# KiCad board panel.kicad_pcb
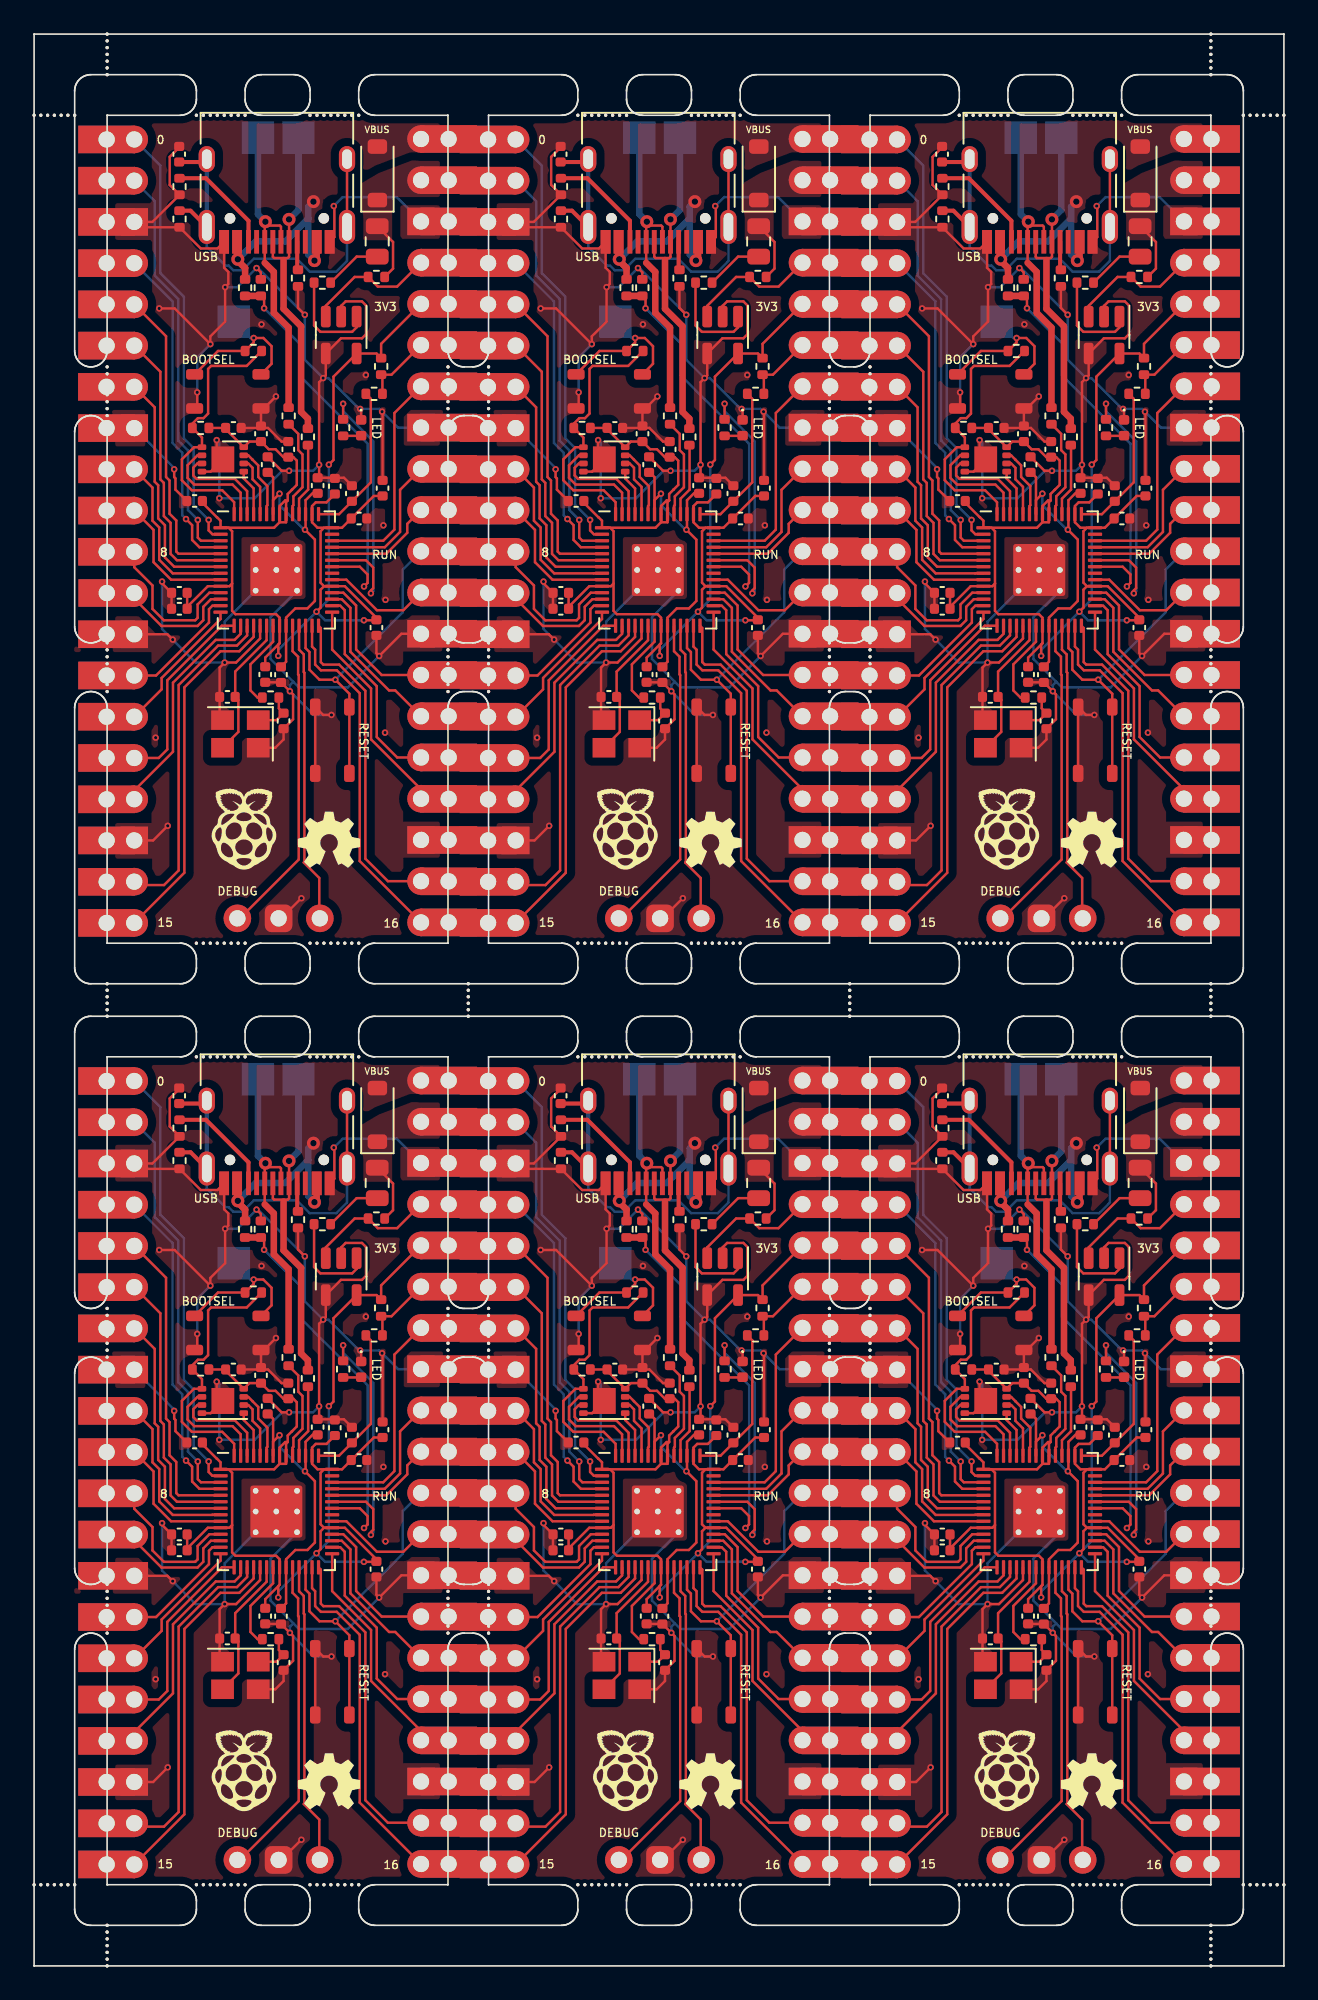
[diagram p0: board, top side]
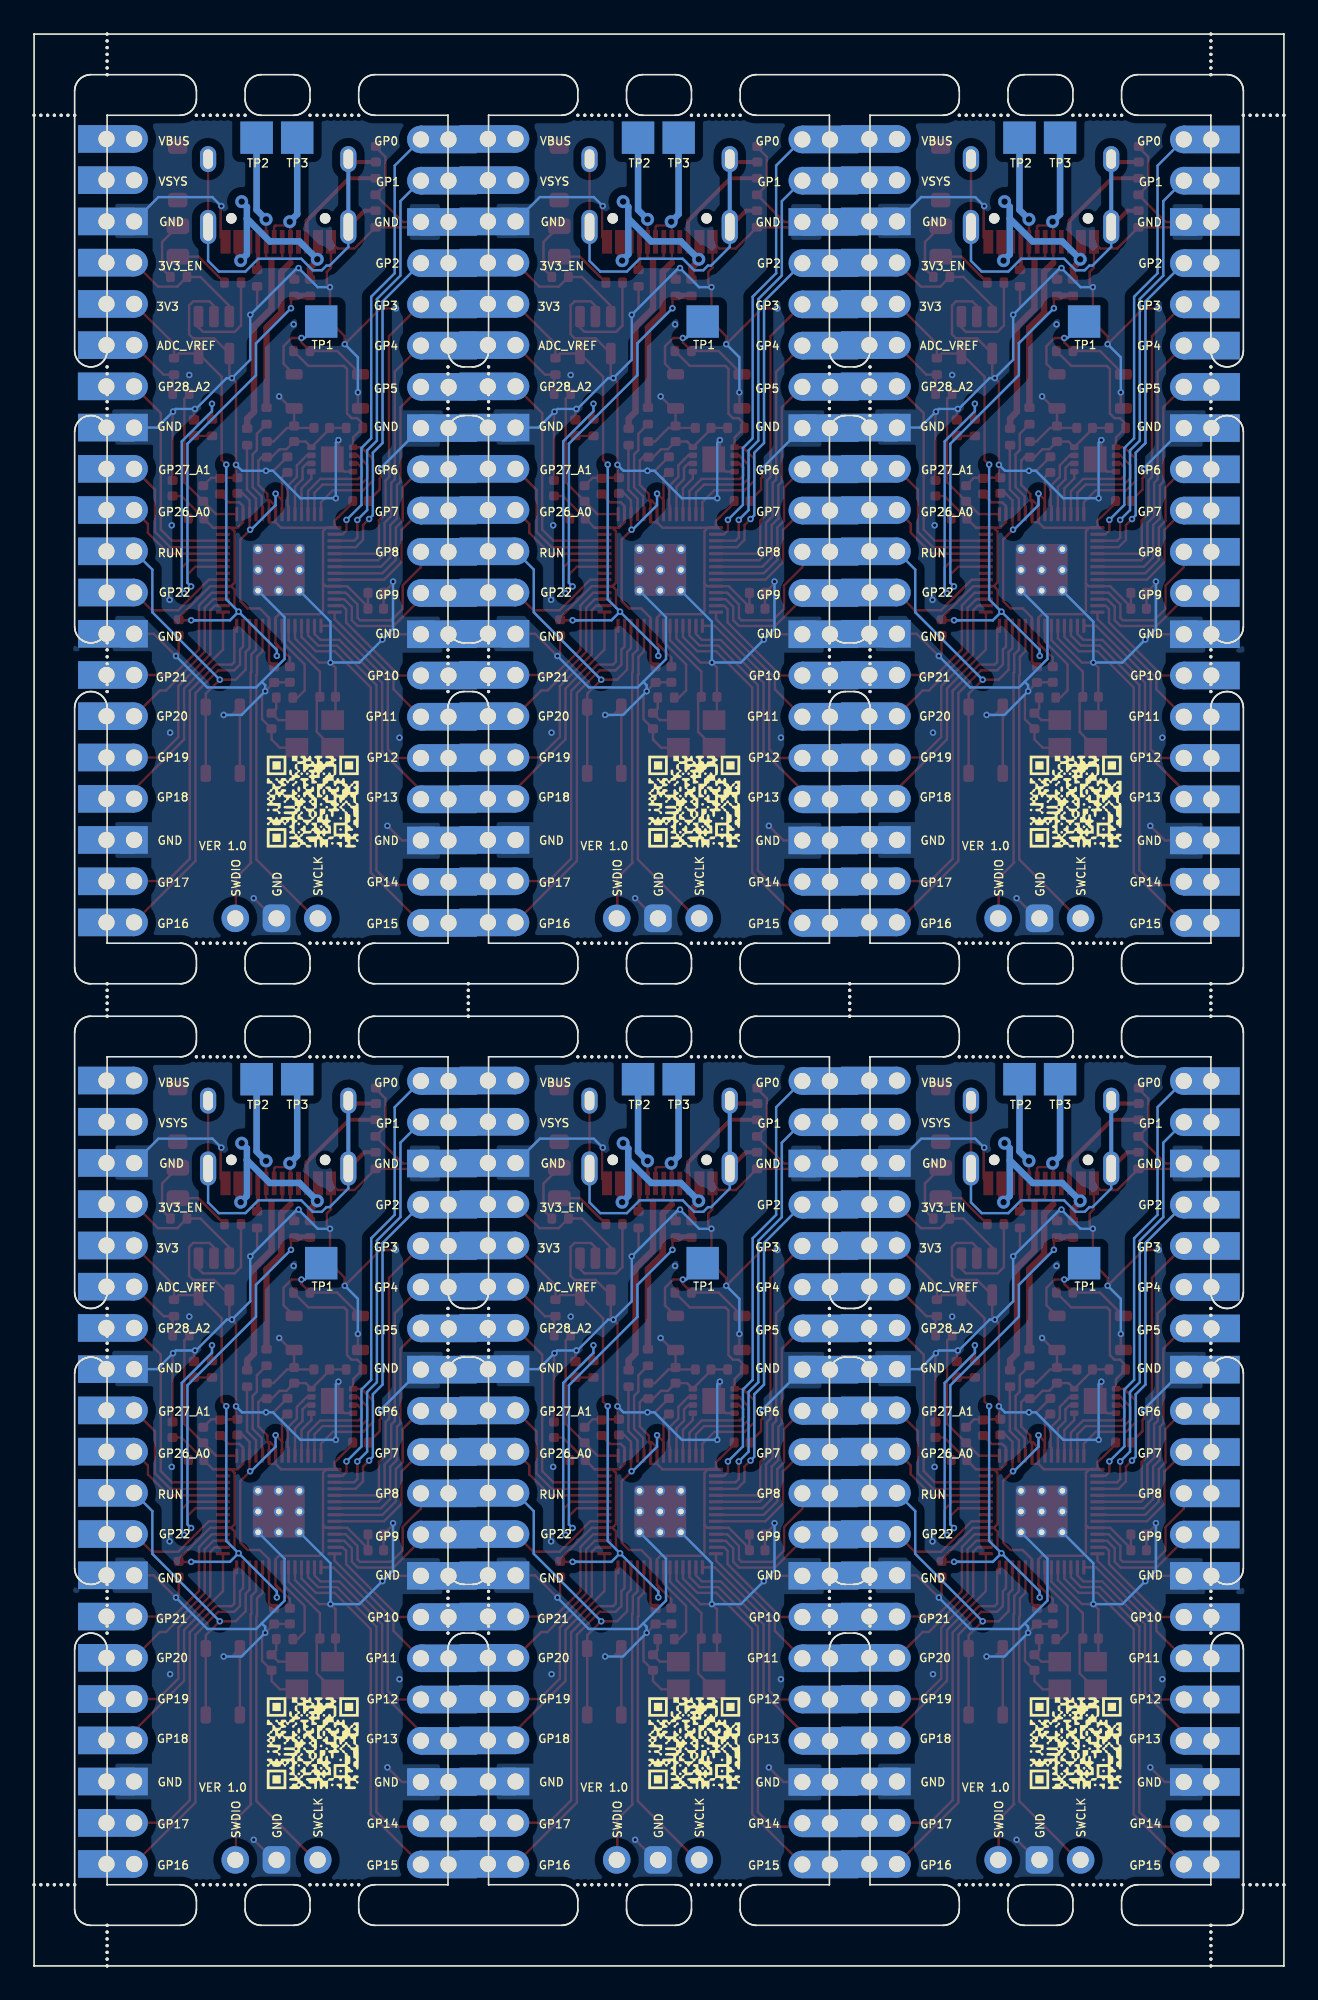
[diagram p1: board, bottom side, seen from below]

Outline 77 x 119 mm; copper layers: Top, Bottom. Coordinates in mm from the lower left corner of the outline.
Stack: Top 0.035mm / dielectric 1.51mm FR4 er 4.5 / Bottom 0.035mm

## Placement (name value [footprint] x y rotation side)
C1  0.1uF  [C_0402_1005Metric]  37.89 92.48 90 top
C1#2  0.1uF  [C_0402_1005Metric]  61.39 92.48 90 top
C1#3  0.1uF  [C_0402_1005Metric]  14.39 34.48 90 top
C1#4  0.1uF  [C_0402_1005Metric]  61.39 34.48 90 top
C1#5  0.1uF  [C_0402_1005Metric]  37.89 34.48 90 top
C1#6  0.1uF  [C_0402_1005Metric]  14.39 92.48 90 top
C2  0.1uF  [C_0402_1005Metric]  38.71 21.54 270 top
C2#2  0.1uF  [C_0402_1005Metric]  38.71 79.54 270 top
C2#3  0.1uF  [C_0402_1005Metric]  62.21 21.54 270 top
C2#4  0.1uF  [C_0402_1005Metric]  15.21 21.54 270 top
C2#5  0.1uF  [C_0402_1005Metric]  15.21 79.54 270 top
C2#6  0.1uF  [C_0402_1005Metric]  62.21 79.54 270 top
C3  1uF  [C_0402_1005Metric]  64.47 33.19 90 top
C3#2  1uF  [C_0402_1005Metric]  17.47 33.19 90 top
C3#3  1uF  [C_0402_1005Metric]  64.47 91.19 90 top
C3#4  1uF  [C_0402_1005Metric]  40.97 33.19 90 top
C3#5  1uF  [C_0402_1005Metric]  17.47 91.19 90 top
C3#6  1uF  [C_0402_1005Metric]  40.97 91.19 90 top
C4  0.1uF  [C_0402_1005Metric]  67.02 89.16 0 top
C4#2  0.1uF  [C_0402_1005Metric]  43.52 89.16 0 top
C4#3  0.1uF  [C_0402_1005Metric]  20.02 89.16 0 top
C4#4  0.1uF  [C_0402_1005Metric]  43.52 31.16 0 top
C4#5  0.1uF  [C_0402_1005Metric]  67.02 31.16 0 top
C4#6  0.1uF  [C_0402_1005Metric]  20.02 31.16 0 top
C5  0.1uF  [C_0402_1005Metric]  15.66 35.42 90 top
C5#2  0.1uF  [C_0402_1005Metric]  62.66 35.42 90 top
C5#3  0.1uF  [C_0402_1005Metric]  39.16 35.42 90 top
C5#4  0.1uF  [C_0402_1005Metric]  39.16 93.42 90 top
C5#5  0.1uF  [C_0402_1005Metric]  62.66 93.42 90 top
C5#6  0.1uF  [C_0402_1005Metric]  15.66 93.42 90 top
C6  0.1uF  [C_0402_1005Metric]  37.74 79.55 270 top
C6#2  0.1uF  [C_0402_1005Metric]  61.24 21.55 270 top
C6#3  0.1uF  [C_0402_1005Metric]  61.24 79.55 270 top
C6#4  0.1uF  [C_0402_1005Metric]  14.24 79.55 270 top
C6#5  0.1uF  [C_0402_1005Metric]  14.24 21.55 270 top
C6#6  0.1uF  [C_0402_1005Metric]  37.74 21.55 270 top
C7  0.1uF  [C_0402_1005Metric]  44.59 82.44 270 top
C7#2  0.1uF  [C_0402_1005Metric]  21.09 24.44 270 top
C7#3  0.1uF  [C_0402_1005Metric]  68.09 82.44 270 top
C7#4  0.1uF  [C_0402_1005Metric]  44.59 24.44 270 top
C7#5  0.1uF  [C_0402_1005Metric]  68.09 24.44 270 top
C7#6  0.1uF  [C_0402_1005Metric]  21.09 82.44 270 top
C8  0.1uF  [C_0402_1005Metric]  32.45 83.6 180 top
C8#2  0.1uF  [C_0402_1005Metric]  8.95 83.6 180 top
C8#3  0.1uF  [C_0402_1005Metric]  32.45 25.6 180 top
C8#4  0.1uF  [C_0402_1005Metric]  55.95 25.6 180 top
C8#5  0.1uF  [C_0402_1005Metric]  55.95 83.6 180 top
C8#6  0.1uF  [C_0402_1005Metric]  8.95 25.6 180 top
C9  0.1uF  [C_0402_1005Metric]  56.89 90.24 180 top
C9#2  0.1uF  [C_0402_1005Metric]  33.39 32.24 180 top
C9#3  0.1uF  [C_0402_1005Metric]  9.89 90.24 180 top
C9#4  0.1uF  [C_0402_1005Metric]  56.89 32.24 180 top
C9#5  0.1uF  [C_0402_1005Metric]  33.39 90.24 180 top
C9#6  0.1uF  [C_0402_1005Metric]  9.89 32.24 180 top
C10  0.1uF  [C_0402_1005Metric]  21.47 91.03 90 top
C10#2  0.1uF  [C_0402_1005Metric]  21.47 33.03 90 top
C10#3  0.1uF  [C_0402_1005Metric]  68.47 33.03 90 top
C10#4  0.1uF  [C_0402_1005Metric]  44.97 91.03 90 top
C10#5  0.1uF  [C_0402_1005Metric]  68.47 91.03 90 top
C10#6  0.1uF  [C_0402_1005Metric]  44.97 33.03 90 top
C11  2.2uF  [C_0402_1005Metric]  65.53 91.15 90 top
C11#2  2.2uF  [C_0402_1005Metric]  42.03 33.15 90 top
C11#3  2.2uF  [C_0402_1005Metric]  18.53 33.15 90 top
C11#4  2.2uF  [C_0402_1005Metric]  42.03 91.15 90 top
C11#5  2.2uF  [C_0402_1005Metric]  18.53 91.15 90 top
C11#6  2.2uF  [C_0402_1005Metric]  65.53 33.15 90 top
C12  2.2uF  [C_0402_1005Metric]  43.08 32.7 90 top
C12#2  2.2uF  [C_0402_1005Metric]  66.58 32.7 90 top
C12#3  2.2uF  [C_0402_1005Metric]  19.58 32.7 90 top
C12#4  2.2uF  [C_0402_1005Metric]  43.08 90.7 90 top
C12#5  2.2uF  [C_0402_1005Metric]  66.58 90.7 90 top
C12#6  2.2uF  [C_0402_1005Metric]  19.58 90.7 90 top
C13  10uF  [C_0402_1005Metric]  55.95 84.58 180 top
C13#2  10uF  [C_0402_1005Metric]  32.45 26.58 180 top
C13#3  10uF  [C_0402_1005Metric]  55.95 26.58 180 top
C13#4  10uF  [C_0402_1005Metric]  8.95 84.58 180 top
C13#5  10uF  [C_0402_1005Metric]  8.95 26.58 180 top
C13#6  10uF  [C_0402_1005Metric]  32.45 84.58 180 top
C14  22pF  [C_0402_1005Metric]  62.37 76.69 270 top
C14#2  22pF  [C_0402_1005Metric]  15.37 76.69 270 top
C14#3  22pF  [C_0402_1005Metric]  38.87 76.69 270 top
C14#4  22pF  [C_0402_1005Metric]  62.37 18.69 270 top
C14#5  22pF  [C_0402_1005Metric]  15.37 18.69 270 top
C14#6  22pF  [C_0402_1005Metric]  38.87 18.69 270 top
C15  22pF  [C_0402_1005Metric]  58.91 78.17 0 top
C15#2  22pF  [C_0402_1005Metric]  11.91 78.17 0 top
C15#3  22pF  [C_0402_1005Metric]  58.91 20.17 0 top
C15#4  22pF  [C_0402_1005Metric]  35.41 20.17 0 top
C15#5  22pF  [C_0402_1005Metric]  11.91 20.17 0 top
C15#6  22pF  [C_0402_1005Metric]  35.41 78.17 0 top
C16  0.1uF  [C_0402_1005Metric]  12.28 36.74 180 top
C16#2  0.1uF  [C_0402_1005Metric]  35.78 36.74 180 top
C16#3  0.1uF  [C_0402_1005Metric]  12.28 94.74 180 top
C16#4  0.1uF  [C_0402_1005Metric]  59.28 36.74 180 top
C16#5  0.1uF  [C_0402_1005Metric]  59.28 94.74 180 top
C16#6  0.1uF  [C_0402_1005Metric]  35.78 94.74 180 top
C17  0.1uF  [C_0402_1005Metric]  55.94 53.6 90 top
C17#2  0.1uF  [C_0402_1005Metric]  55.94 111.6 90 top
C17#3  0.1uF  [C_0402_1005Metric]  8.94 111.6 90 top
C17#4  0.1uF  [C_0402_1005Metric]  32.44 111.6 90 top
C17#5  0.1uF  [C_0402_1005Metric]  8.94 53.6 90 top
C17#6  0.1uF  [C_0402_1005Metric]  32.44 53.6 90 top
C19  10uF  [C_0402_1005Metric]  37.48 36.38 90 top
C19#2  10uF  [C_0402_1005Metric]  13.98 94.38 90 top
C19#3  10uF  [C_0402_1005Metric]  13.98 36.38 90 top
C19#4  10uF  [C_0402_1005Metric]  60.98 36.38 90 top
C19#5  10uF  [C_0402_1005Metric]  60.98 94.38 90 top
C19#6  10uF  [C_0402_1005Metric]  37.48 94.38 90 top
D1  LED  [LED_0402_1005Metric]  67.15 36.75 270 top
D1#2  LED  [LED_0402_1005Metric]  20.15 36.75 270 top
D1#3  LED  [LED_0402_1005Metric]  43.65 94.75 270 top
D1#4  LED  [LED_0402_1005Metric]  20.15 94.75 270 top
D1#5  LED  [LED_0402_1005Metric]  67.15 94.75 270 top
D1#6  LED  [LED_0402_1005Metric]  43.65 36.75 270 top
D3  1N4002W  [D_SOD-123]  68.15 110.42 90 top
D3#2  1N4002W  [D_SOD-123]  21.15 110.42 90 top
D3#3  1N4002W  [D_SOD-123]  21.15 52.42 90 top
D3#4  1N4002W  [D_SOD-123]  68.15 52.42 90 top
D3#5  1N4002W  [D_SOD-123]  44.65 52.42 90 top
D3#6  1N4002W  [D_SOD-123]  44.65 110.42 90 top
F1  0805L050WR  [Fuse_0805_2012Metric]  21.14 48.23 270 top
F1#2  0805L050WR  [Fuse_0805_2012Metric]  44.64 48.23 270 top
F1#3  0805L050WR  [Fuse_0805_2012Metric]  44.64 106.23 270 top
F1#4  0805L050WR  [Fuse_0805_2012Metric]  68.14 106.23 270 top
F1#5  0805L050WR  [Fuse_0805_2012Metric]  68.14 48.23 270 top
F1#6  0805L050WR  [Fuse_0805_2012Metric]  21.14 106.23 270 top
FB1  FB  [R_0402_1005Metric]  17.76 103.69 0 top
FB1#2  FB  [R_0402_1005Metric]  64.76 103.69 0 top
FB1#3  FB  [R_0402_1005Metric]  41.26 45.69 0 top
FB1#4  FB  [R_0402_1005Metric]  64.76 45.69 0 top
FB1#5  FB  [R_0402_1005Metric]  17.76 45.69 0 top
FB1#6  FB  [R_0402_1005Metric]  41.26 103.69 0 top
G***  -  [LOGO]  36.43 12.03 0 top
G***#2  -  [LOGO]  12.93 70.03 0 top
G***#3  -  [LOGO]  65.17 69.38 0 top
G***#4  -  [LOGO]  18.17 69.38 0 top
G***#5  -  [LOGO]  36.43 70.03 0 top
G***#6  -  [LOGO]  59.93 12.03 0 top
G***#7  -  [LOGO]  12.93 12.03 0 top
G***#8  -  [LOGO]  65.17 11.38 0 top
G***#9  -  [LOGO]  59.93 70.03 0 top
G***#10  -  [LOGO]  18.17 11.38 0 top
G***#11  -  [LOGO]  41.67 69.38 0 top
G***#12  -  [LOGO]  41.67 11.38 0 top
G***#13  -  [LOGO]  36.33 13.72 180 bottom
G***#14  -  [LOGO]  59.83 13.72 180 bottom
G***#15  -  [LOGO]  12.83 71.72 180 bottom
G***#16  -  [LOGO]  59.83 71.72 180 bottom
G***#17  -  [LOGO]  36.33 71.72 180 bottom
G***#18  -  [LOGO]  12.83 13.72 180 bottom
J1  LEFT_PINS  [PinHeader_1x20_P2.54mm_Vertical#2]  6.11 112.11 0 top
J1#2  LEFT_PINS  [PinHeader_1x20_P2.54mm_Vertical#2]  6.11 54.11 0 top
J1#3  LEFT_PINS  [PinHeader_1x20_P2.54mm_Vertical#2]  29.61 112.11 0 top
J1#4  LEFT_PINS  [PinHeader_1x20_P2.54mm_Vertical#2]  53.11 54.11 0 top
J1#5  LEFT_PINS  [PinHeader_1x20_P2.54mm_Vertical#2]  53.11 112.11 0 top
J1#6  LEFT_PINS  [PinHeader_1x20_P2.54mm_Vertical#2]  29.61 54.11 0 top
J2  RIGHT_PINS  [PinHeader_1x20_P2.54mm_Vertical]  70.8 54.36 0 top
J2#2  RIGHT_PINS  [PinHeader_1x20_P2.54mm_Vertical]  70.8 112.36 0 top
J2#3  RIGHT_PINS  [PinHeader_1x20_P2.54mm_Vertical]  23.8 54.36 0 top
J2#4  RIGHT_PINS  [PinHeader_1x20_P2.54mm_Vertical]  47.3 54.36 0 top
J2#5  RIGHT_PINS  [PinHeader_1x20_P2.54mm_Vertical]  47.3 112.36 0 top
J2#6  RIGHT_PINS  [PinHeader_1x20_P2.54mm_Vertical]  23.8 112.36 0 top
J3  BOTTOM_PINS  [PinHeader_1x03_P2.54mm_Vertical]  12.7 64.53 90 top
J3#2  BOTTOM_PINS  [PinHeader_1x03_P2.54mm_Vertical]  59.71 6.53 90 top
J3#3  BOTTOM_PINS  [PinHeader_1x03_P2.54mm_Vertical]  36.21 64.53 90 top
J3#4  BOTTOM_PINS  [PinHeader_1x03_P2.54mm_Vertical]  12.7 6.53 90 top
J3#5  BOTTOM_PINS  [PinHeader_1x03_P2.54mm_Vertical]  59.71 64.53 90 top
J3#6  BOTTOM_PINS  [PinHeader_1x03_P2.54mm_Vertical]  36.21 6.53 90 top
J4  USB_C_Receptacle_USB2.0  [HRO-TYPE-C-31-M-12]  62.01 113.96 180 top
J4#2  USB_C_Receptacle_USB2.0  [HRO-TYPE-C-31-M-12]  62.01 55.96 180 top
J4#3  USB_C_Receptacle_USB2.0  [HRO-TYPE-C-31-M-12]  15.01 113.96 180 top
J4#4  USB_C_Receptacle_USB2.0  [HRO-TYPE-C-31-M-12]  38.51 113.96 180 top
J4#5  USB_C_Receptacle_USB2.0  [HRO-TYPE-C-31-M-12]  38.51 55.96 180 top
J4#6  USB_C_Receptacle_USB2.0  [HRO-TYPE-C-31-M-12]  15.01 55.96 180 top
KiKit_MB_1_1  -  [NPTH]  4.5 95.5 0 top
KiKit_MB_1_2  -  [NPTH]  4.5 95.93 0 top
KiKit_MB_1_3  -  [NPTH]  4.5 96.36 0 top
KiKit_MB_1_4  -  [NPTH]  4.5 96.79 0 top
KiKit_MB_1_5  -  [NPTH]  4.5 97.21 0 top
KiKit_MB_1_6  -  [NPTH]  4.5 97.64 0 top
KiKit_MB_1_7  -  [NPTH]  4.5 98.07 0 top
KiKit_MB_1_8  -  [NPTH]  4.5 98.5 0 top
KiKit_MB_2_1  -  [NPTH]  4.5 78.5 0 top
KiKit_MB_2_2  -  [NPTH]  4.5 78.93 0 top
KiKit_MB_2_3  -  [NPTH]  4.5 79.36 0 top
KiKit_MB_2_4  -  [NPTH]  4.5 79.79 0 top
KiKit_MB_2_5  -  [NPTH]  4.5 80.21 0 top
KiKit_MB_2_6  -  [NPTH]  4.5 80.64 0 top
KiKit_MB_2_7  -  [NPTH]  4.5 81.07 0 top
KiKit_MB_2_8  -  [NPTH]  4.5 81.5 0 top
KiKit_MB_3_1  -  [NPTH]  25.5 98.5 0 top
KiKit_MB_3_2  -  [NPTH]  25.5 98.07 0 top
KiKit_MB_3_3  -  [NPTH]  25.5 97.64 0 top
KiKit_MB_3_4  -  [NPTH]  25.5 97.21 0 top
KiKit_MB_3_5  -  [NPTH]  25.5 96.79 0 top
KiKit_MB_3_6  -  [NPTH]  25.5 96.36 0 top
KiKit_MB_3_7  -  [NPTH]  25.5 95.93 0 top
KiKit_MB_3_8  -  [NPTH]  25.5 95.5 0 top
KiKit_MB_4_1  -  [NPTH]  25.5 81.5 0 top
KiKit_MB_4_2  -  [NPTH]  25.5 81.07 0 top
KiKit_MB_4_3  -  [NPTH]  25.5 80.64 0 top
KiKit_MB_4_4  -  [NPTH]  25.5 80.21 0 top
KiKit_MB_4_5  -  [NPTH]  25.5 79.79 0 top
KiKit_MB_4_6  -  [NPTH]  25.5 79.36 0 top
KiKit_MB_4_7  -  [NPTH]  25.5 78.93 0 top
KiKit_MB_4_8  -  [NPTH]  25.5 78.5 0 top
KiKit_MB_5_1  -  [NPTH]  10 114 0 top
KiKit_MB_5_2  -  [NPTH]  10.43 114 0 top
KiKit_MB_5_3  -  [NPTH]  10.86 114 0 top
KiKit_MB_5_4  -  [NPTH]  11.29 114 0 top
KiKit_MB_5_5  -  [NPTH]  11.71 114 0 top
KiKit_MB_5_6  -  [NPTH]  12.14 114 0 top
KiKit_MB_5_7  -  [NPTH]  12.57 114 0 top
KiKit_MB_5_8  -  [NPTH]  13 114 0 top
KiKit_MB_6_1  -  [NPTH]  17 114 0 top
KiKit_MB_6_2  -  [NPTH]  17.43 114 0 top
KiKit_MB_6_3  -  [NPTH]  17.86 114 0 top
KiKit_MB_6_4  -  [NPTH]  18.29 114 0 top
KiKit_MB_6_5  -  [NPTH]  18.71 114 0 top
KiKit_MB_6_6  -  [NPTH]  19.14 114 0 top
KiKit_MB_6_7  -  [NPTH]  19.57 114 0 top
KiKit_MB_6_8  -  [NPTH]  20 114 0 top
KiKit_MB_7_1  -  [NPTH]  13 63 0 top
KiKit_MB_7_2  -  [NPTH]  12.57 63 0 top
KiKit_MB_7_3  -  [NPTH]  12.14 63 0 top
KiKit_MB_7_4  -  [NPTH]  11.71 63 0 top
KiKit_MB_7_5  -  [NPTH]  11.29 63 0 top
KiKit_MB_7_6  -  [NPTH]  10.86 63 0 top
KiKit_MB_7_7  -  [NPTH]  10.43 63 0 top
KiKit_MB_7_8  -  [NPTH]  10 63 0 top
KiKit_MB_8_1  -  [NPTH]  20 63 0 top
KiKit_MB_8_2  -  [NPTH]  19.57 63 0 top
KiKit_MB_8_3  -  [NPTH]  19.14 63 0 top
KiKit_MB_8_4  -  [NPTH]  18.71 63 0 top
KiKit_MB_8_5  -  [NPTH]  18.29 63 0 top
KiKit_MB_8_6  -  [NPTH]  17.86 63 0 top
KiKit_MB_8_7  -  [NPTH]  17.43 63 0 top
KiKit_MB_8_8  -  [NPTH]  17 63 0 top
KiKit_MB_9_1  -  [NPTH]  28 95.5 0 top
KiKit_MB_9_2  -  [NPTH]  28 95.93 0 top
KiKit_MB_9_3  -  [NPTH]  28 96.36 0 top
KiKit_MB_9_4  -  [NPTH]  28 96.79 0 top
KiKit_MB_9_5  -  [NPTH]  28 97.21 0 top
KiKit_MB_9_6  -  [NPTH]  28 97.64 0 top
KiKit_MB_9_7  -  [NPTH]  28 98.07 0 top
KiKit_MB_9_8  -  [NPTH]  28 98.5 0 top
KiKit_MB_10_1  -  [NPTH]  28 78.5 0 top
KiKit_MB_10_2  -  [NPTH]  28 78.93 0 top
KiKit_MB_10_3  -  [NPTH]  28 79.36 0 top
KiKit_MB_10_4  -  [NPTH]  28 79.79 0 top
KiKit_MB_10_5  -  [NPTH]  28 80.21 0 top
KiKit_MB_10_6  -  [NPTH]  28 80.64 0 top
KiKit_MB_10_7  -  [NPTH]  28 81.07 0 top
KiKit_MB_10_8  -  [NPTH]  28 81.5 0 top
KiKit_MB_11_1  -  [NPTH]  49 98.5 0 top
KiKit_MB_11_2  -  [NPTH]  49 98.07 0 top
KiKit_MB_11_3  -  [NPTH]  49 97.64 0 top
KiKit_MB_11_4  -  [NPTH]  49 97.21 0 top
KiKit_MB_11_5  -  [NPTH]  49 96.79 0 top
KiKit_MB_11_6  -  [NPTH]  49 96.36 0 top
KiKit_MB_11_7  -  [NPTH]  49 95.93 0 top
KiKit_MB_11_8  -  [NPTH]  49 95.5 0 top
KiKit_MB_12_1  -  [NPTH]  49 81.5 0 top
KiKit_MB_12_2  -  [NPTH]  49 81.07 0 top
KiKit_MB_12_3  -  [NPTH]  49 80.64 0 top
KiKit_MB_12_4  -  [NPTH]  49 80.21 0 top
KiKit_MB_12_5  -  [NPTH]  49 79.79 0 top
KiKit_MB_12_6  -  [NPTH]  49 79.36 0 top
KiKit_MB_12_7  -  [NPTH]  49 78.93 0 top
KiKit_MB_12_8  -  [NPTH]  49 78.5 0 top
KiKit_MB_13_1  -  [NPTH]  33.5 114 0 top
KiKit_MB_13_2  -  [NPTH]  33.93 114 0 top
KiKit_MB_13_3  -  [NPTH]  34.36 114 0 top
KiKit_MB_13_4  -  [NPTH]  34.79 114 0 top
KiKit_MB_13_5  -  [NPTH]  35.21 114 0 top
KiKit_MB_13_6  -  [NPTH]  35.64 114 0 top
KiKit_MB_13_7  -  [NPTH]  36.07 114 0 top
KiKit_MB_13_8  -  [NPTH]  36.5 114 0 top
KiKit_MB_14_1  -  [NPTH]  40.5 114 0 top
KiKit_MB_14_2  -  [NPTH]  40.93 114 0 top
KiKit_MB_14_3  -  [NPTH]  41.36 114 0 top
KiKit_MB_14_4  -  [NPTH]  41.79 114 0 top
KiKit_MB_14_5  -  [NPTH]  42.21 114 0 top
KiKit_MB_14_6  -  [NPTH]  42.64 114 0 top
KiKit_MB_14_7  -  [NPTH]  43.07 114 0 top
KiKit_MB_14_8  -  [NPTH]  43.5 114 0 top
KiKit_MB_15_1  -  [NPTH]  36.5 63 0 top
KiKit_MB_15_2  -  [NPTH]  36.07 63 0 top
KiKit_MB_15_3  -  [NPTH]  35.64 63 0 top
KiKit_MB_15_4  -  [NPTH]  35.21 63 0 top
KiKit_MB_15_5  -  [NPTH]  34.79 63 0 top
KiKit_MB_15_6  -  [NPTH]  34.36 63 0 top
KiKit_MB_15_7  -  [NPTH]  33.93 63 0 top
KiKit_MB_15_8  -  [NPTH]  33.5 63 0 top
KiKit_MB_16_1  -  [NPTH]  43.5 63 0 top
KiKit_MB_16_2  -  [NPTH]  43.07 63 0 top
KiKit_MB_16_3  -  [NPTH]  42.64 63 0 top
KiKit_MB_16_4  -  [NPTH]  42.21 63 0 top
KiKit_MB_16_5  -  [NPTH]  41.79 63 0 top
KiKit_MB_16_6  -  [NPTH]  41.36 63 0 top
KiKit_MB_16_7  -  [NPTH]  40.93 63 0 top
KiKit_MB_16_8  -  [NPTH]  40.5 63 0 top
KiKit_MB_17_1  -  [NPTH]  51.5 95.5 0 top
KiKit_MB_17_2  -  [NPTH]  51.5 95.93 0 top
KiKit_MB_17_3  -  [NPTH]  51.5 96.36 0 top
KiKit_MB_17_4  -  [NPTH]  51.5 96.79 0 top
KiKit_MB_17_5  -  [NPTH]  51.5 97.21 0 top
KiKit_MB_17_6  -  [NPTH]  51.5 97.64 0 top
KiKit_MB_17_7  -  [NPTH]  51.5 98.07 0 top
KiKit_MB_17_8  -  [NPTH]  51.5 98.5 0 top
KiKit_MB_18_1  -  [NPTH]  51.5 78.5 0 top
KiKit_MB_18_2  -  [NPTH]  51.5 78.93 0 top
KiKit_MB_18_3  -  [NPTH]  51.5 79.36 0 top
KiKit_MB_18_4  -  [NPTH]  51.5 79.79 0 top
KiKit_MB_18_5  -  [NPTH]  51.5 80.21 0 top
KiKit_MB_18_6  -  [NPTH]  51.5 80.64 0 top
KiKit_MB_18_7  -  [NPTH]  51.5 81.07 0 top
KiKit_MB_18_8  -  [NPTH]  51.5 81.5 0 top
KiKit_MB_19_1  -  [NPTH]  72.5 98.5 0 top
KiKit_MB_19_2  -  [NPTH]  72.5 98.07 0 top
KiKit_MB_19_3  -  [NPTH]  72.5 97.64 0 top
KiKit_MB_19_4  -  [NPTH]  72.5 97.21 0 top
KiKit_MB_19_5  -  [NPTH]  72.5 96.79 0 top
KiKit_MB_19_6  -  [NPTH]  72.5 96.36 0 top
KiKit_MB_19_7  -  [NPTH]  72.5 95.93 0 top
KiKit_MB_19_8  -  [NPTH]  72.5 95.5 0 top
KiKit_MB_20_1  -  [NPTH]  72.5 81.5 0 top
KiKit_MB_20_2  -  [NPTH]  72.5 81.07 0 top
KiKit_MB_20_3  -  [NPTH]  72.5 80.64 0 top
KiKit_MB_20_4  -  [NPTH]  72.5 80.21 0 top
KiKit_MB_20_5  -  [NPTH]  72.5 79.79 0 top
KiKit_MB_20_6  -  [NPTH]  72.5 79.36 0 top
KiKit_MB_20_7  -  [NPTH]  72.5 78.93 0 top
KiKit_MB_20_8  -  [NPTH]  72.5 78.5 0 top
KiKit_MB_21_1  -  [NPTH]  57 114 0 top
KiKit_MB_21_2  -  [NPTH]  57.43 114 0 top
KiKit_MB_21_3  -  [NPTH]  57.86 114 0 top
KiKit_MB_21_4  -  [NPTH]  58.29 114 0 top
KiKit_MB_21_5  -  [NPTH]  58.71 114 0 top
KiKit_MB_21_6  -  [NPTH]  59.14 114 0 top
KiKit_MB_21_7  -  [NPTH]  59.57 114 0 top
KiKit_MB_21_8  -  [NPTH]  60 114 0 top
KiKit_MB_22_1  -  [NPTH]  64 114 0 top
KiKit_MB_22_2  -  [NPTH]  64.43 114 0 top
KiKit_MB_22_3  -  [NPTH]  64.86 114 0 top
KiKit_MB_22_4  -  [NPTH]  65.29 114 0 top
KiKit_MB_22_5  -  [NPTH]  65.71 114 0 top
KiKit_MB_22_6  -  [NPTH]  66.14 114 0 top
KiKit_MB_22_7  -  [NPTH]  66.57 114 0 top
KiKit_MB_22_8  -  [NPTH]  67 114 0 top
KiKit_MB_23_1  -  [NPTH]  60 63 0 top
KiKit_MB_23_2  -  [NPTH]  59.57 63 0 top
KiKit_MB_23_3  -  [NPTH]  59.14 63 0 top
KiKit_MB_23_4  -  [NPTH]  58.71 63 0 top
KiKit_MB_23_5  -  [NPTH]  58.29 63 0 top
KiKit_MB_23_6  -  [NPTH]  57.86 63 0 top
KiKit_MB_23_7  -  [NPTH]  57.43 63 0 top
KiKit_MB_23_8  -  [NPTH]  57 63 0 top
KiKit_MB_24_1  -  [NPTH]  67 63 0 top
KiKit_MB_24_2  -  [NPTH]  66.57 63 0 top
KiKit_MB_24_3  -  [NPTH]  66.14 63 0 top
KiKit_MB_24_4  -  [NPTH]  65.71 63 0 top
KiKit_MB_24_5  -  [NPTH]  65.29 63 0 top
KiKit_MB_24_6  -  [NPTH]  64.86 63 0 top
KiKit_MB_24_7  -  [NPTH]  64.43 63 0 top
KiKit_MB_24_8  -  [NPTH]  64 63 0 top
KiKit_MB_25_1  -  [NPTH]  4.5 37.5 0 top
KiKit_MB_25_2  -  [NPTH]  4.5 37.93 0 top
KiKit_MB_25_3  -  [NPTH]  4.5 38.36 0 top
KiKit_MB_25_4  -  [NPTH]  4.5 38.79 0 top
KiKit_MB_25_5  -  [NPTH]  4.5 39.21 0 top
KiKit_MB_25_6  -  [NPTH]  4.5 39.64 0 top
KiKit_MB_25_7  -  [NPTH]  4.5 40.07 0 top
KiKit_MB_25_8  -  [NPTH]  4.5 40.5 0 top
KiKit_MB_26_1  -  [NPTH]  4.5 20.5 0 top
KiKit_MB_26_2  -  [NPTH]  4.5 20.93 0 top
KiKit_MB_26_3  -  [NPTH]  4.5 21.36 0 top
KiKit_MB_26_4  -  [NPTH]  4.5 21.79 0 top
KiKit_MB_26_5  -  [NPTH]  4.5 22.21 0 top
KiKit_MB_26_6  -  [NPTH]  4.5 22.64 0 top
KiKit_MB_26_7  -  [NPTH]  4.5 23.07 0 top
KiKit_MB_26_8  -  [NPTH]  4.5 23.5 0 top
KiKit_MB_27_1  -  [NPTH]  25.5 40.5 0 top
KiKit_MB_27_2  -  [NPTH]  25.5 40.07 0 top
KiKit_MB_27_3  -  [NPTH]  25.5 39.64 0 top
KiKit_MB_27_4  -  [NPTH]  25.5 39.21 0 top
KiKit_MB_27_5  -  [NPTH]  25.5 38.79 0 top
KiKit_MB_27_6  -  [NPTH]  25.5 38.36 0 top
KiKit_MB_27_7  -  [NPTH]  25.5 37.93 0 top
KiKit_MB_27_8  -  [NPTH]  25.5 37.5 0 top
KiKit_MB_28_1  -  [NPTH]  25.5 23.5 0 top
KiKit_MB_28_2  -  [NPTH]  25.5 23.07 0 top
KiKit_MB_28_3  -  [NPTH]  25.5 22.64 0 top
KiKit_MB_28_4  -  [NPTH]  25.5 22.21 0 top
KiKit_MB_28_5  -  [NPTH]  25.5 21.79 0 top
KiKit_MB_28_6  -  [NPTH]  25.5 21.36 0 top
KiKit_MB_28_7  -  [NPTH]  25.5 20.93 0 top
KiKit_MB_28_8  -  [NPTH]  25.5 20.5 0 top
KiKit_MB_29_1  -  [NPTH]  10 56 0 top
KiKit_MB_29_2  -  [NPTH]  10.43 56 0 top
KiKit_MB_29_3  -  [NPTH]  10.86 56 0 top
KiKit_MB_29_4  -  [NPTH]  11.29 56 0 top
KiKit_MB_29_5  -  [NPTH]  11.71 56 0 top
KiKit_MB_29_6  -  [NPTH]  12.14 56 0 top
KiKit_MB_29_7  -  [NPTH]  12.57 56 0 top
KiKit_MB_29_8  -  [NPTH]  13 56 0 top
KiKit_MB_30_1  -  [NPTH]  17 56 0 top
KiKit_MB_30_2  -  [NPTH]  17.43 56 0 top
KiKit_MB_30_3  -  [NPTH]  17.86 56 0 top
KiKit_MB_30_4  -  [NPTH]  18.29 56 0 top
KiKit_MB_30_5  -  [NPTH]  18.71 56 0 top
KiKit_MB_30_6  -  [NPTH]  19.14 56 0 top
KiKit_MB_30_7  -  [NPTH]  19.57 56 0 top
KiKit_MB_30_8  -  [NPTH]  20 56 0 top
KiKit_MB_31_1  -  [NPTH]  13 5 0 top
KiKit_MB_31_2  -  [NPTH]  12.57 5 0 top
KiKit_MB_31_3  -  [NPTH]  12.14 5 0 top
KiKit_MB_31_4  -  [NPTH]  11.71 5 0 top
KiKit_MB_31_5  -  [NPTH]  11.29 5 0 top
KiKit_MB_31_6  -  [NPTH]  10.86 5 0 top
KiKit_MB_31_7  -  [NPTH]  10.43 5 0 top
KiKit_MB_31_8  -  [NPTH]  10 5 0 top
KiKit_MB_32_1  -  [NPTH]  20 5 0 top
KiKit_MB_32_2  -  [NPTH]  19.57 5 0 top
KiKit_MB_32_3  -  [NPTH]  19.14 5 0 top
KiKit_MB_32_4  -  [NPTH]  18.71 5 0 top
KiKit_MB_32_5  -  [NPTH]  18.29 5 0 top
KiKit_MB_32_6  -  [NPTH]  17.86 5 0 top
KiKit_MB_32_7  -  [NPTH]  17.43 5 0 top
KiKit_MB_32_8  -  [NPTH]  17 5 0 top
KiKit_MB_33_1  -  [NPTH]  28 37.5 0 top
KiKit_MB_33_2  -  [NPTH]  28 37.93 0 top